# Altium PCB PCBrm.PcbDoc (part 2 of 7)
Units mm, origin at the board's own origin, x right, y up, seen from the top; angles counter-clockwise.
Board outline 220.73 x 137.67 mm, 2 copper layers (Top Layer, Bottom Layer); 138 components, 115 nets, 746 pads, 210 vias.
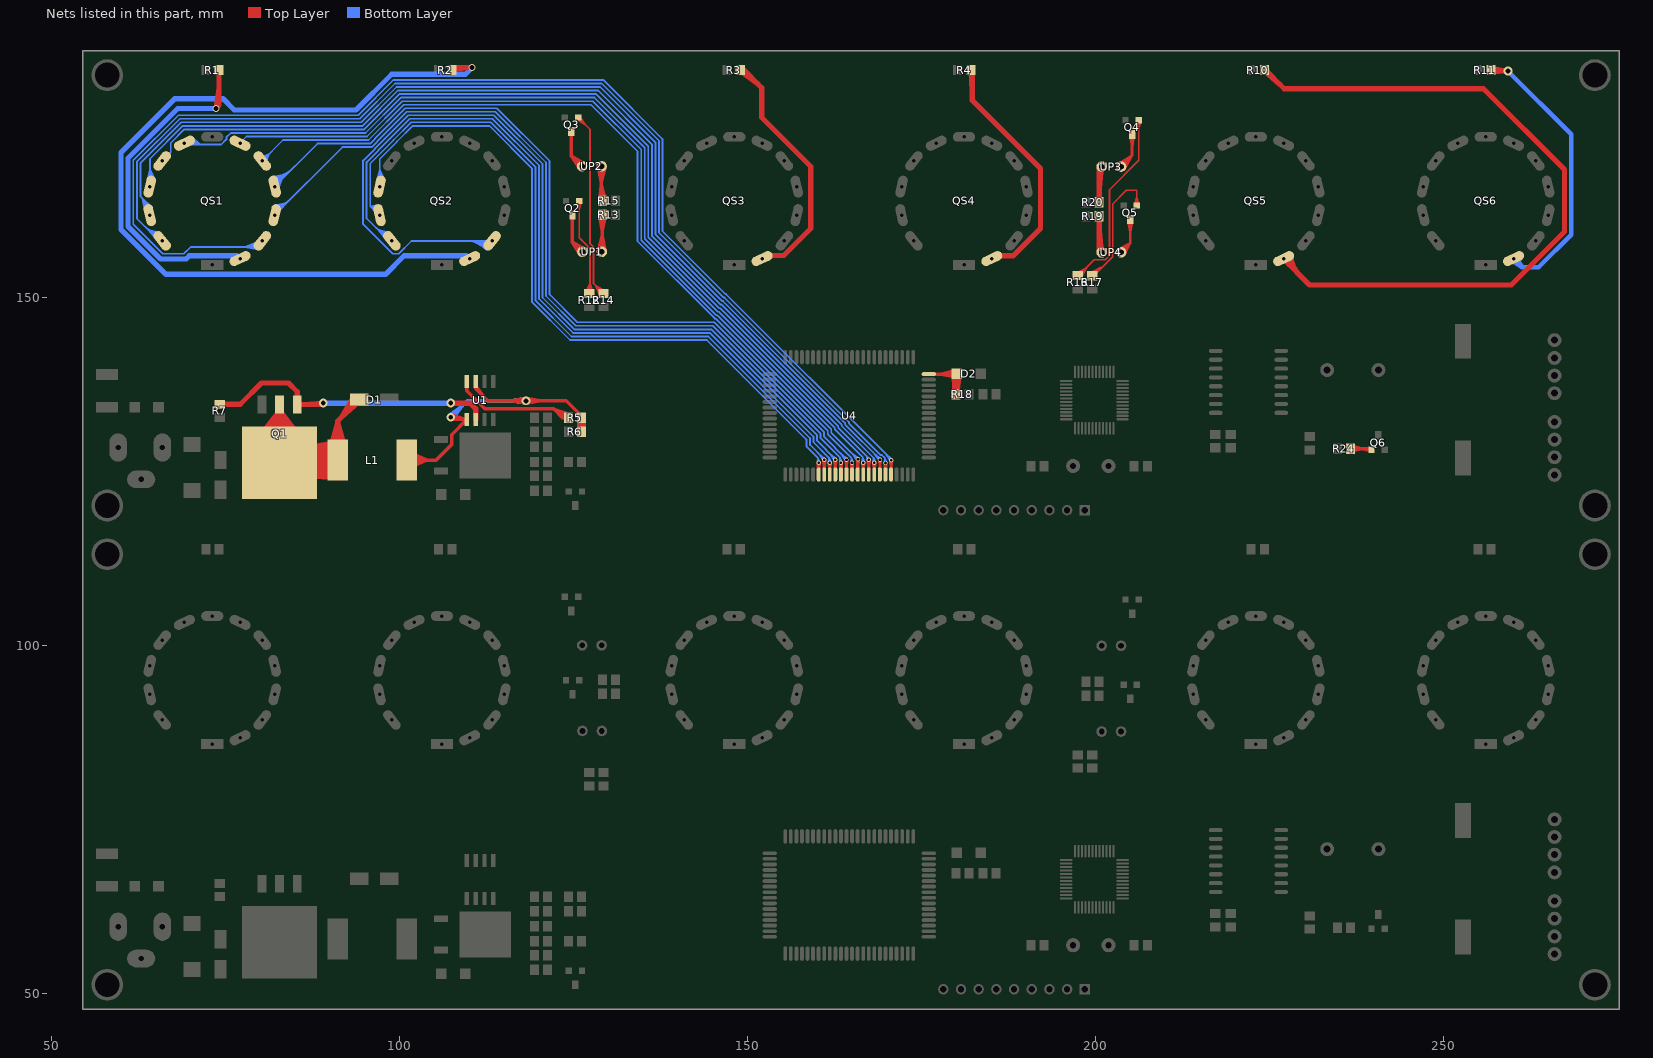
[diagram p2: the nets of this part, all layers, seen from the top]

## Via types
v1: diameter 1.27, hole 0.711, Top Layer to Bottom Layer, 118 vias
v2: diameter 1.016, hole 0.711, Top Layer to Bottom Layer, 52 vias
v3: diameter 0.61, hole 0.381, Top Layer to Bottom Layer, 40 vias

## Nets (pads, with @x,y where several pads share a name; then routed paths per layer and width w, separated by ;. In a path a pad name is that pad's centre, name@x,y a point inside that pad or via, vN(x,y) a via of type N, cw(c..) or ccw(c..) an arc to the next point about the centre after c; other vN are vias at no path point) (continued)
NetD1_3: D1.3@94.183,135.341 L1.1 Q1.2 | length 489.8
  Top Layer w0.762: Q1.2@82.753,131.074 Q1.2@82.753,133.995 ; Q1.2@82.753,134.63 Q1.2@82.753,126.248 ; Q1.2@82.944,126.248 L1.1@90.439,126.655 ; Q1.2@82.957,127.264 L1.1@90.439,126.655 ; Q1.2@83.058,128.022 L1.1@90.439,126.655 ; Q1.2@83.067,125.24 L1.1@90.439,126.655 ; Q1.2@83.237,128.771 L1.1@90.439,126.655 ; Q1.2@83.25,124.497 L1.1@90.439,126.655 ; Q1.2@83.495,129.504 L1.1@90.439,126.655 ; Q1.2@83.508,123.772 L1.1@90.439,126.655 ; Q1.2@83.83,130.214 L1.1@90.439,126.655 ; Q1.2@83.843,123.071 L1.1@90.439,126.655 ; Q1.2@84.245,130.895 L1.1@90.439,126.655 ; Q1.2@84.254,122.401 L1.1@90.439,126.655 ; Q1.2@84.74,121.769 L1.1@90.439,126.655 ; L1.1@90.052,128.308 91.11,131.891 ; L1.1@90.549,127.565 Q1.2@87.501,125.058 ; L1.1@90.552,125.743 Q1.2@87.499,128.238 ; L1.1@90.629,127.61 Q1.2@87.448,125.41 ; L1.1@90.633,125.698 Q1.2@87.446,127.883 ; L1.1@90.694,126.139 Q1.2@87.672,124.283 ; L1.1@90.712,127.647 Q1.2@87.411,125.746 ; L1.1@90.716,125.661 Q1.2@87.41,127.545 ; L1.1@90.796,127.676 Q1.2@87.389,126.069 ; L1.1@90.801,125.631 Q1.2@87.388,127.22 ; L1.1@90.812,126.181 Q1.2@87.575,124.685 ; L1.1@90.814,127.127 Q1.2@87.573,128.617 ; L1.1@90.887,125.609 Q1.2@87.376,126.904 ; L1.1@90.91,127.705 Q1.2@87.375,126.488 ; L1.1@90.957,125.597 87.374,126.655 L1.1@90.957,127.713 ; L1.1@91.004,125.591 Q1.2@87.375,126.488 ; L1.1@91.028,127.72 Q1.2@87.376,126.904 ; L1.1@91.088,129.223 Q1.2@87.573,128.617 ; L1.1@91.09,124.086 Q1.2@87.575,124.685 ; L1.1@91.119,127.724 Q1.2@87.388,127.22 ; L1.1@91.124,125.586 Q1.2@87.389,126.069 ; L1.1@91.211,127.719 Q1.2@87.41,127.545 ; L1.1@91.213,124.091 Q1.2@87.672,124.283 ; L1.1@91.217,125.591 Q1.2@87.411,125.746 ; L1.1@91.306,127.705 Q1.2@87.446,127.883 ; L1.1@91.311,125.605 Q1.2@87.448,125.41 ; L1.1@91.402,127.683 Q1.2@87.499,128.238 ; L1.1@91.406,125.627 Q1.2@87.501,125.058 ; L1.1@92.168,128.308 91.11,131.891 ; D1.3@93.328,135.624 91.692,132.85 ; D1.3@93.733,135.341 91.692,132.85 ; D1.3@94.09,135 91.692,132.85 ; D1.3@94.183,135.341 91.11,132.268 L1.1@91.11,126.655 ; Q1.2@82.753,126.248 Q1.2@82.753,133.741 ; Q1.2@82.753,126.248 83.16,126.655 L1.1@91.11,126.655 ; Q1.2@82.753,133.741 83.767,126.317 Q1.2@82.753,133.741 ; Q1.2@82.753,133.741 81.74,126.317 Q1.2@82.753,133.741 ; Q1.2@82.753,133.741 84.519,126.459 Q1.2@82.753,133.741 ; Q1.2@82.753,133.741 80.988,126.459 Q1.2@82.753,133.741 ; Q1.2@82.753,133.741 85.256,126.679 Q1.2@82.753,133.741 ; Q1.2@82.753,133.741 80.25,126.679 Q1.2@82.753,133.741 ; Q1.2@82.753,133.741 85.974,126.976 Q1.2@82.753,133.741 ; Q1.2@82.753,133.741 79.532,126.976 Q1.2@82.753,133.741 ; Q1.2@82.753,133.741 86.665,127.35 Q1.2@82.753,133.741 ; Q1.2@82.753,133.741 78.841,127.35 Q1.2@82.753,133.741 ; Q1.2@82.753,133.741 87.322,127.802 Q1.2@82.753,133.741 ; Q1.2@82.753,133.741 78.184,127.802 Q1.2@82.753,133.741 ; Q1.2@87.375,126.488 L1.1@91.11,126.655 ; Q1.2@87.376,126.904 L1.1@91.11,126.655 ; Q1.2@87.388,127.22 L1.1@91.11,126.655 ; Q1.2@87.389,126.069 L1.1@91.11,126.655 ; Q1.2@87.41,127.545 L1.1@91.11,126.655 ; Q1.2@87.411,125.746 L1.1@91.11,126.655 ; Q1.2@87.446,127.883 L1.1@91.11,126.655 ; Q1.2@87.448,125.41 L1.1@91.11,126.655 ; Q1.2@87.499,128.238 L1.1@91.11,126.655 ; Q1.2@87.501,125.058 L1.1@91.11,126.655 ; Q1.2@87.573,128.617 91.11,128.155 91.11,131.891 ; Q1.2@87.575,124.685 91.11,125.155 Q1.2@87.672,124.283
NetD2_2: D2.2 R18.1 U4.40 | length 47.7
  Top Layer w0.508: U4.40@176.017,139.005 179.965,139.005 D2.2@180.035,139.075 ; U4.40@176.767,139.005 178.566,139.005 ; R18.1@179.507,136.289 D2.2@180.035,138.411 ; D2.2@179.528,139.041 R18.1@179.933,136.786 ; D2.2@179.528,139.109 R18.1@179.625,136.763 ; D2.2@179.53,139.019 180.035,136.789 D2.2@180.54,139.019 ; D2.2@179.537,138.977 R18.1@180.23,136.779 ; R18.1@179.898,136.129 180.035,136.266 D2.2@180.035,139.075 ; R18.1@179.898,136.229 D2.2@180.035,138.411 ; D2.2@179.963,139.578 177.747,139.005 ; D2.2@179.994,138.569 177.747,139.005 ; R18.1@180.294,136.24 D2.2@180.035,138.411 ; D2.2@180.523,138.933 R18.1@179.625,136.763 ; D2.2@180.537,138.996 R18.1@179.933,136.786 ; D2.2@180.543,139.062 R18.1@180.23,136.779 ; 177.747,139.005 D2.2@180.035,139.075 ; R18.1@179.625,136.763 D2.2@180.035,139.075 ; R18.1@179.933,136.786 D2.2@180.035,139.075 ; D2.2@180.035,139.075 R18.1@180.23,136.779
NetL1_2: L1.2 R5.1 R6.1 U1.1 U1.7 | length 115.9
  Top Layer w0.508: L1.2@101.01,126.655 105.237,126.655 107.467,128.885 107.467,130.299 U1.1@109.652,132.484 ; L1.2@101.089,125.971 103.984,126.655 ; L1.2@101.089,127.338 103.984,126.655 ; L1.2@101.25,125.483 103.984,126.655 ; L1.2@101.25,127.826 103.984,126.655 ; v1@107.319,132.421 U1.1@109.585,132.484 ; v1@107.425,133.173 U1.1@109.585,132.484 ; 108.269,131.101 U1.1@109.652,132.484 ; U1.7@110.922,137.945 110.922,136.916 ; 112.065,135.773 U1.7@110.922,137.323 ; v1@118.127,134.784 116.002,135.164 v1@118.127,135.543 ; v1@118.194,134.784 120.32,135.164 v1@118.194,135.543 ; R6.1@125.743,130.751 R5.1@125.742,132.611 ; R6.1@125.742,130.833 R5.1@126.136,132.751 ; R6.1@125.743,130.835 R5.1@126.136,132.651 ; R6.1@125.761,130.918 R5.1@126.53,132.611 ; R6.1@126.512,130.918 R5.1@125.742,132.611 ; R6.1@126.53,130.751 R5.1@126.53,132.611 ; R6.1@126.53,130.833 R5.1@126.136,132.751 ; R6.1@126.53,130.835 R5.1@126.136,132.651 ; U1.1@109.585,132.484 v1(107.34,132.801) 107.391,132.801 107.709,132.484 U1.1@109.652,132.484 ; 110.922,136.916 U1.7@110.922,137.323 ; 110.922,136.916 U1.7@110.922,137.323 ; 110.922,136.916 112.674,135.164 123.942,135.164 126.136,132.969 R5.1@126.136,132.751 ; R5.1@125.742,132.611 R6.1@126.136,130.793 ; R5.1@125.742,132.611 R6.1@126.136,130.693 ; R6.1@126.136,130.693 R5.1@126.136,132.651 ; R6.1@126.136,130.693 R5.1@126.53,132.611 ; R6.1@126.136,130.693 R5.1@126.136,132.751 ; R6.1@126.136,130.793 R5.1@126.136,132.651 ; R6.1@126.136,130.793 R5.1@126.53,132.611 ; R6.1@126.136,130.793 R5.1@126.136,132.751
  Bottom Layer w0.508: v1@107.093,133.091 109.053,134.514 v1@107.63,132.554 ; v1(107.34,132.801) 109.703,135.164 v1(118.161,135.164) ; v1@118.127,134.784 116.002,135.164 v1@118.127,135.543
NetQ1_1: Q1.1 R7.2 U1.2 | length 53.2
  Top Layer w0.762: R7.2@74.143,134.666 77.099,134.666 ; R7.2@74.243,134.666 77.099,134.666 ; Q1.1@85.293,135.265 85.293,136.459 ; 86.074,134.63 v1(89.027,134.833) 88.824,134.63 Q1.1@85.293,134.63 85.293,136.459 ; v1(107.34,134.833) 110.109,134.833 110.922,134.021 ; U1.2@110.922,132.484 110.922,134.021 ; U1.2@110.922,133.106 110.922,134.021 ; 77.099,134.666 80.162,137.729 84.023,137.729 85.293,136.459
  Bottom Layer w0.762: v1(89.027,134.833) v1(107.34,134.833) 104.419,134.833
NetQ2_1: Q2.1 R12.2 | length 23.5
  Top Layer w0.254: Q2.1@125.466,163.821 125.793,162.646 Q2.1@126.121,163.821 ; Q2.1@125.793,163.866 125.793,158.586 127.356,157.024 127.356,150.693 R12.2@127.254,150.592 127.356,152.011 ; R12.2@126.748,150.724 127.356,152.011 ; R12.2@126.989,150.636 127.356,152.011 ; R12.2@127.523,150.598 127.356,152.011 ; R12.2@127.774,150.651 127.356,152.011
NetQ2_3: Q2.3 UP1.2 | length 13.8
  Top Layer w0.508: 124.828,159.675 Q2.3@124.828,161.656 ; Q2.3@124.828,161.834 124.828,157.935 ; UP1.2@125.869,156.246 124.828,157.935 ; UP1.2@126.213,156.55 124.828,157.935 ; UP1.2@126.263,156.566 124.828,157.935 ; UP1.2@126.564,156.975 124.828,157.935
NetQ3_1: Q3.1 R14.2 | length 37.7
  Top Layer w0.254: Q3.1@125.437,175.595 126.637,174.858 Q3.1@125.9,176.059 ; Q3.1@125.641,175.854 127.356,174.14 127.356,157.742 127.864,157.234 127.864,152.014 R14.2@129.286,150.592 ; R14.2@128.748,150.306 128.097,151.78 ; R14.2@128.973,150.427 128.097,151.78 ; R14.2@129.186,150.592 128.097,151.78 ; R14.2@129.369,150.789 128.097,151.78 ; R14.2@129.509,151.003 128.097,151.78
NetQ3_3: Q3.3 UP2.2 | length 14
  Top Layer w0.508: 124.676,171.663 Q3.3@124.676,173.645 ; Q3.3@124.676,173.822 124.676,170.33 ; UP2.2@125.82,168.537 124.676,170.33 ; UP2.2@126.162,168.844 124.676,170.33 ; UP2.2@126.213,168.859 124.676,170.33 ; UP2.2@126.518,169.266 124.676,170.33
NetQ4_1: Q4.1 R16.2 | length 37.4
  Top Layer w0.254: R16.2@197.206,153.573 198.674,154.295 ; R16.2@197.336,153.353 198.674,154.295 ; R16.2@197.509,153.147 198.674,154.295 ; R16.2@197.51,153.132 199.812,155.433 201.381,155.433 201.981,156.032 201.981,165.491 206.184,169.695 Q4.1@206.184,175.448 ; R16.2@197.713,152.971 198.674,154.295 ; R16.2@197.931,152.838 198.674,154.295 ; Q4.1@205.857,175.403 206.184,174.229 Q4.1@206.512,175.403
NetQ4_3: Q4.3 UP3.2 | length 16.7
  Top Layer w0.381: UP3.2@203.278,169.257 205.176,170.388 ; UP3.2@203.581,168.793 205.219,170.431 Q4.3@205.219,173.416 ; UP3.2@203.632,168.808 205.176,170.388 ; UP3.2@204.089,168.465 205.176,170.388 ; Q4.3@204.954,173.216 205.219,171.638 ; Q4.3@205.219,173.238 205.219,171.638 ; Q4.3@205.485,173.216 205.219,171.638
NetQ5_1: Q5.1 R17.2 | length 26
  Top Layer w0.254: R17.2@199.268,153.543 200.681,154.32 ; R17.2@199.409,153.329 200.681,154.32 ; R17.2@199.492,153.132 199.715,153.132 202.438,155.854 202.438,163.434 204.406,165.402 205.905,165.402 Q5.1@205.905,163.231 ; R17.2@199.592,153.132 200.681,154.32 ; R17.2@199.804,152.967 200.029,153.192 R17.2@200.029,152.846 ; Q5.1@205.578,163.275 205.905,164.45 Q5.1@206.232,163.275
NetQ5_3: Q5.3 UP4.2 | length 15.7
  Top Layer w0.381: UP4.2@203.288,156.946 204.94,157.833 ; UP4.2@203.581,156.474 204.94,157.833 ; UP4.2@203.632,156.489 204.94,157.833 ; UP4.2@204.097,156.158 204.94,157.833 ; Q5.3@204.674,160.999 204.94,159.421 ; Q5.3@204.94,161.021 204.94,159.421 ; Q5.3@204.94,161.199 204.94,157.833 ; Q5.3@205.206,160.999 204.94,159.421
NetQ6_1: Q6.1 R24.2 | length 11.5
  Top Layer w0.381: R24.2@236.611,128.306 239.458,128.306 Q6.1@239.611,128.153 237.984,128.306 ; R24.2@236.67,127.85 238.404,128.306 R24.2@236.67,128.761 ; Q6.1@239.564,127.891 237.984,128.306 ; Q6.1@239.614,128.42 237.984,128.306
NetQS1_2: QS1.2 R1.1 | length 58.3
  Top Layer w0.762: 74.051,179.651 R1.1@74.051,182.587 ; 74.051,180.109 v2(73.609,177.175) 74.051,177.617 R1.1@74.051,182.687 R1.1@74.051,182.865
  Bottom Layer w0.762: 70.815,177.15 v2(73.609,177.175) ; v2@73.609,177.15 68.119,177.15 60.983,170.014 60.983,160.214 65.667,155.53 69.323,155.53 69.794,156.001 76.593,156.001 QS1.2@77.017,155.577
NetQS2_2: QS2.2 R2.1 | length 128.7
  Top Layer w0.762: R2.1@107.503,182.787 v2(110.388,183.043) R2.1@107.503,183.043
  Bottom Layer w0.762: QS2.2@110.017,155.577 109.593,156.001 100.649,156.001 97.979,153.331 66.429,153.331 59.967,159.793 59.967,170.839 67.7,178.572 74.614,178.572 76.24,176.947 93.731,176.947 98.86,182.076 109.447,182.076 ; v2@110.211,182.839 109.447,182.076 ; v2(110.388,183.043) 109.447,182.076
NetQS3_2: QS3.2 R3.1 | length 42.1
  Top Layer w0.762: R3.1@148.93,182.587 151.44,180.701 ; R3.1@149.225,182.916 152.017,180.124 152.017,175.868 159.051,168.833 159.051,159.916 155.173,156.038 ; QS3.2@152.017,155.577 152.478,156.038 155.173,156.038 ; QS3.2@152.878,155.982 155.173,156.038 ; QS3.2@153.053,155.742 cw(c153.769,155.026) 153.769,156.038
NetQS4_2: QS4.2 R4.1 | length 41.9
  Top Layer w0.762: R4.1@182.077,182.587 182.245,179.641 ; R4.1@182.245,182.916 182.245,178.359 192.071,168.533 192.071,159.916 188.172,156.017 ; QS4.2@185.037,155.577 185.477,156.017 188.172,156.017 ; QS4.2@185.879,155.982 188.172,156.017 ; QS4.2@186.073,155.742 cw(c186.738,155.076) 186.738,156.017
NetQS5_2: QS5.2 R10.1 | length 117.4
  Top Layer w0.762: R10.1@224.155,182.916 227.082,179.989 255.719,179.989 267.335,168.372 267.335,159.444 259.692,151.801 230.723,151.801 QS5.2@226.947,155.577 ; R10.1@224.216,182.587 226.55,180.521 ; R10.1@224.536,182.916 ccw(c225.456,182.916) R10.1@224.805,182.265 ; QS5.2@227.315,155.967 ccw(c229.145,155.967) 227.851,154.673 ; 227.56,155.052 QS5.2@226.998,155.592 ; QS5.2@228.077,155.967 ccw(c231.747,155.967) 229.152,153.372 ; 228.568,154.132 QS5.2@226.998,155.592 ; 229.105,153.419 QS5.2@226.998,155.592
NetQS6_2: QS6.2 R11.1 | length 51.2
  Top Layer w0.635: R11.1@256.805,182.354 v1(259.232,182.524) ; R11.1@256.849,183.016 v1(259.232,182.524) ; v1(259.232,182.524) R11.1@256.804,182.687 256.967,182.524 v1(259.232,182.524)
  Bottom Layer w0.635: v1(259.232,182.524) 268.3,173.457 268.3,159.029 263.652,154.381 261.228,154.381 ; QS6.2@259.779,155.293 261.228,154.381 ; QS6.2@260.018,155.592 261.228,154.381 ; QS6.2@260.316,155.83 261.228,154.381
NetR5_2: R5.2 U1.8 | length 30.6
  Top Layer w0.508: U1.8@109.652,137.323 109.652,136.586 ; U1.8@109.652,137.945 109.652,136.586 ; R5.2@124.019,132.52 122.132,133.996 ; R5.2@124.236,132.851 122.132,133.996 ; R5.2@124.396,133.213 122.132,133.996 ; 109.652,136.586 112.229,134.009 122.12,134.009 123.378,132.751 ; 123.378,132.751 R5.2@124.236,132.751 ; 123.378,132.751 124.145,133.136 123.378,132.751 ; 123.378,132.751 124.145,132.365 123.378,132.751 ; 123.378,132.751 R5.2@124.236,132.751 ; 123.378,132.751 R5.2@124.236,132.751
NetR13_2: R13.2 UP1.1 | length 18.6
  Top Layer w0.5: UP1.1@128.551,156.638 129.123,158.83 ; R13.2@128.725,161.747 129.123,159.634 ; UP1.1@129.007,156.55 129.123,156.667 R13.2@129.123,161.884 ; UP1.1@129.057,156.566 129.123,158.83 ; R13.2@129.123,161.784 129.123,159.634 ; R13.2@129.522,161.747 129.123,159.634 ; UP1.1@129.568,156.609 129.123,158.83
NetR15_2: R15.2 UP2.1 | length 18.3
  Top Layer w0.5: UP2.1@128.497,168.813 128.956,166.596 ; R15.2@128.723,164.022 128.956,166.183 ; UP2.1@128.956,168.844 128.956,164.084 R15.2@129.123,163.916 ; UP2.1@129.007,168.859 128.956,166.596 ; R15.2@129.123,164.016 128.956,166.183 ; UP2.1@129.514,168.79 128.956,166.596 ; R15.2@129.518,164.084 128.956,166.183
NetR19_2: R19.2 UP4.1 | length 11.4
  Top Layer w0.762: 200.492,158.62 R19.2@200.492,161.556 ; 200.492,159.62 UP4.1@200.838,156.489 ; R19.2@200.492,161.656 200.492,156.769 UP4.1@200.787,156.474
NetR20_2: R20.2 UP3.1 | length 11.3
  Top Layer w0.762: R20.2@200.492,163.662 200.492,168.499 UP3.1@200.787,168.793 ; R20.2@200.492,163.762 200.492,166.698 ; 200.492,165.673 UP3.1@200.838,168.808
QS1-0: QS1.3 U4.20 | length 219.8
  Top Layer w0.254: v3@170.434,126.637 U4.20@170.477,125.566 ; v3@170.437,126.599 U4.20@170.71,125.548 ; v3@170.44,126.585 170.609,126.281 ; U4.20@170.444,125.34 v3@170.592,126.367 ; v3@170.486,126.503 cw(c170.23,126.248) 170.592,126.248 ; U4.20@170.487,125.434 ccw(c170.235,125.687) 170.592,125.687 ccw(c170.949,125.687) U4.20@170.697,125.434 ; U4.20@170.592,124.58 v3@170.592,126.629 ; U4.20@170.592,125.33 v3@170.592,126.367 ; 170.592,126.152 cw(c171.089,126.152) v3@170.738,126.503 ; U4.20@170.74,125.34 v3@170.592,126.367 ; v3@170.783,126.582 170.609,126.281 ; v3@170.786,126.592 U4.20@170.477,125.566 ; v3@170.79,126.631 U4.20@170.71,125.548 ; U4.20@170.477,125.566 v3(170.612,126.629) ; U4.20@170.592,125.56 v3(170.612,126.629) ; U4.20@170.592,125.56 170.434,126.618 U4.20@170.592,125.562 ; U4.20@170.592,125.56 170.789,126.611 U4.20@170.592,125.562 ; U4.20@170.592,125.562 v3(170.612,126.629) ; 170.609,126.281 v3(170.612,126.629) ; v3(170.612,126.629) U4.20@170.71,125.548
  Bottom Layer w0.254: 77.877,157.262 ccw(c77.877,159.206) QS1.3@79.252,157.831 ; 78.49,157.262 ccw(c78.49,158.592) QS1.3@79.431,157.651 ; 78.67,157.262 cw(c78.67,156.439) QS1.3@79.252,157.021 ; QS1.3@79.537,157.988 78.38,157.328 ; QS1.3@79.57,157.997 77.786,157.262 ; QS1.3@79.632,156.873 78.38,157.328 ; QS1.3@79.643,157.753 78.38,157.328 ; QS1.3@79.652,157.755 77.786,157.262 ; QS1.3@79.676,156.869 77.786,157.262 ; QS1.3@79.696,157.122 78.38,157.328 ; QS1.3@79.711,157.122 77.786,157.262 ; QS1.3@80.218,158.13 79.35,157.262 69.977,157.262 69.007,156.292 65.983,156.292 61.745,160.53 61.745,169.699 68.228,176.181 76.733,176.181 76.736,176.185 94.047,176.185 99.123,181.261 129.264,181.261 137.761,172.764 137.761,159.514 146.769,150.505 146.875,150.505 170.612,126.768 v3(170.612,126.629) ; 170.21,127.17 cw(c169.669,126.629) v3@170.434,126.629 ; v3@170.451,126.553 170.332,127.011 ; v3@170.468,126.524 169.829,127.551 ; v3@170.733,126.759 170.332,127.011 ; v3@170.738,126.754 169.829,127.551 ; 77.786,157.262 79.708,157.441 78.38,157.328 ; 169.829,127.551 v3(170.612,126.629) ; 170.332,127.011 v3(170.612,126.629)
QS1-1: QS1.13 U4.19 | length 204.6
  Top Layer w0.254: v3@169.609,126.244 U4.19@169.644,125.341 ; v3@169.609,126.215 U4.19@169.792,125.33 ; v3@169.609,126.218 U4.19@169.792,125.167 ; v3@169.614,126.19 169.777,125.907 ; v3@169.615,126.186 U4.19@169.94,125.341 ; v3@169.62,126.172 169.806,125.924 ; v3@169.661,126.108 cw(c169.343,125.79) 169.792,125.79 ; U4.19@169.687,125.434 ccw(c169.435,125.687) 169.792,125.687 ccw(c170.149,125.687) U4.19@169.897,125.434 ; U4.19@169.792,124.58 v3@169.792,126.274 ; 169.792,125.818 cw(c170.202,125.818) v3@169.912,126.108 ; v3@169.956,126.18 169.777,125.907 ; v3@169.958,126.188 U4.19@169.644,125.341 ; v3@169.96,126.193 169.806,125.924 ; v3@169.963,126.217 U4.19@169.792,125.33 ; v3@169.964,126.219 U4.19@169.792,125.167 ; v3@169.964,126.246 U4.19@169.94,125.341 ; U4.19@169.644,125.341 v3(169.786,126.233) ; U4.19@169.644,125.341 v3@169.792,126.274 ; 169.777,125.907 v3(169.786,126.233) ; v3(169.786,126.233) U4.19@169.792,125.167 ; v3(169.786,126.233) U4.19@169.792,125.33 ; v3(169.786,126.233) U4.19@169.94,125.341 ; v3(169.786,126.233) 169.806,125.924 ; v3(169.786,126.233) 169.786,126.268 v3@169.792,126.274 ; U4.19@169.792,125.33 v3@169.792,126.274 ; v3@169.792,126.274 U4.19@169.94,125.341
  Bottom Layer w0.254: 63.455,160.158 ccw(c65.271,161.974) QS1.13@65.271,159.406 ; 63.889,159.725 ccw(c65.271,161.107) QS1.13@65.271,159.152 ; 64.322,159.291 ccw(c65.271,160.24) QS1.13@65.271,158.898 ; QS1.13@64.902,158.458 64.191,159.644 ; QS1.13@64.931,158.429 64.294,159.414 ; QS1.13@64.946,158.416 63.981,159.633 ; QS1.13@65.109,158.61 64.191,159.644 ; QS1.13@65.131,158.592 64.294,159.414 ; QS1.13@65.133,158.591 63.981,159.633 ; QS1.13@65.436,159.146 64.294,159.414 ; QS1.13@65.454,159.139 63.981,159.633 ; QS1.13@65.467,159.403 64.294,159.414 ; QS1.13@65.474,159.129 64.191,159.644 ; QS1.13@65.515,159.388 63.981,159.633 ; QS1.13@65.547,159.375 64.191,159.644 ; QS1.13@65.832,158.13 65.484,158.13 62.253,161.36 62.253,169.488 68.438,175.673 76.943,175.673 76.947,175.677 94.257,175.677 99.334,180.753 129.035,180.753 137.253,172.536 137.253,159.303 146.56,149.997 146.665,149.997 164.536,132.125 164.536,131.962 169.132,127.366 169.296,127.366 169.697,126.964 ; v3@169.608,126.233 169.697,126.964 ; v3@169.609,126.243 169.722,126.688 ; 169.697,126.877 ccw(c170.43,126.877) v3@169.912,126.359 ; v3@169.792,126.447 169.792,126.274 169.684,126.382 169.697,126.396 169.697,126.964 ; v3@169.954,126.292 169.722,126.688 ; v3@169.959,126.276 169.697,126.964 ; 63.981,159.633 QS1.13@65.322,158.848 ; 64.191,159.644 QS1.13@65.322,158.848 ; 64.294,159.414 QS1.13@65.322,158.848 ; 169.697,126.964 v3(169.786,126.233) 169.722,126.688
QS1-2: QS1.12 U4.18 | length 203.4
  Top Layer w0.254: v3@168.834,126.686 168.884,125.617 ; v3@168.836,126.651 169.102,125.601 ; v3@168.839,126.636 169.009,126.332 ; U4.18@168.844,125.34 168.992,126.367 ; v3@168.886,126.554 cw(c168.63,126.298) 168.992,126.298 ; U4.18@168.887,125.434 ccw(c168.635,125.687) 168.992,125.687 ccw(c169.349,125.687) U4.18@169.097,125.434 ; U4.18@168.992,124.58 v3@168.992,126.68 ; U4.18@168.992,125.33 168.992,126.367 ; 168.992,126.203 cw(c169.488,126.203) v3@169.137,126.554 ; U4.18@169.14,125.34 168.992,126.367 ; v3@169.183,126.633 169.009,126.332 ; v3@169.186,126.644 168.884,125.617 ; v3@169.189,126.68 169.102,125.601 ; v3@168.838,126.64 168.992,126.367 ; v3@168.838,126.64 168.992,126.367 ; v3@168.838,126.64 168.992,126.367 ; 168.884,125.617 v3(169.012,126.68) ; 168.992,125.613 v3(169.012,126.68) ; 168.992,125.613 168.834,126.668 168.992,125.613 ; 168.992,125.613 169.188,126.662 168.992,125.613 ; 168.992,125.613 v3(169.012,126.68) ; 168.992,126.367 v3(169.012,126.68) ; 168.992,126.367 v3@169.179,126.619 ; 168.992,126.367 v3(169.012,126.68) ; 168.992,126.367 v3@169.179,126.619 ; 168.992,126.367 v3(169.012,126.68) ; 168.992,126.367 v3@169.179,126.619 ; 169.009,126.332 v3(169.012,126.68) ; v3(169.012,126.68) 169.102,125.601
  Bottom Layer w0.254: 63.099,164.209 cw(c61.956,163.066) QS1.12@63.542,162.757 ; QS1.12@63.293,162.805 ccw(c61.391,163.176) 62.761,164.546 ; QS1.12@63.34,162.626 63.484,163.591 ; QS1.12@63.365,162.523 63.223,163.806 ; QS1.12@63.368,162.515 63.034,164.273 ; 63.436,163.871 cw(c62.521,162.956) QS1.12@63.792,162.708 ; QS1.12@63.6,162.622 63.484,163.591 ; QS1.12@63.615,162.581 63.034,164.273 ; QS1.12@63.617,162.577 63.223,163.806 ; 63.774,163.533 cw(c63.086,162.846) QS1.12@64.041,162.66 ; QS1.12@64.056,161.818 64.056,163.252 62.761,164.546 ; QS1.12@64.154,162.912 63.223,163.806 ; QS1.12@64.167,162.894 63.484,163.591 ; QS1.12@64.17,162.891 63.034,164.273 ; QS1.12@64.313,163.115 63.223,163.806 ; QS1.12@64.327,163.099 63.484,163.591 ; QS1.12@64.355,163.067 63.034,164.273 ; 168.646,127.134 cw(c168.192,126.68) v3@168.834,126.68 ; v3@168.853,126.599 168.748,127.001 ; v3@168.871,126.571 168.211,127.568 ; v3@169.122,126.82 168.748,127.001 ; v3@169.134,126.808 168.211,127.568 ; 62.761,164.546 62.761,169.278 68.648,175.165 77.154,175.165 77.157,175.169 94.468,175.169 99.544,180.245 128.807,180.245 136.745,172.307 136.745,159.093 146.349,149.489 146.454,149.489 164.028,131.915 164.028,131.752 169.012,126.768 v3(169.012,126.68) ; 63.034,164.273 QS1.12@63.906,162.711 ; 63.223,163.806 QS1.12@63.906,162.711 ; 63.484,163.591 QS1.12@63.906,162.711 ; 168.211,127.568 v3(169.012,126.68) ; 168.748,127.001 v3(169.012,126.68)
QS1-3: QS1.11 U4.17 | length 180
  Top Layer w0.254: v3@168.015,126.257 U4.17@168.192,125.33 ; v3@168.015,126.259 168.192,125.207 v3@168.369,126.259 ; v3@168.015,126.285 U4.17@168.044,125.341 ; v3@168.02,126.229 U4.17@168.34,125.341 ; v3@168.019,126.232 168.177,125.955 ; v3@168.024,126.216 168.207,125.955 ; v3@168.066,126.148 cw(c167.763,125.844) 168.192,125.844 cw(c168.621,125.844) v3@168.318,126.148 ; U4.17@168.087,125.434 ccw(c167.835,125.687) 168.192,125.687 ccw(c168.549,125.687) U4.17@168.297,125.434 ; U4.17@168.192,124.58 v3(168.192,126.274) ; v3@168.36,126.216 168.177,125.955 ; v3@168.364,126.229 U4.17@168.044,125.341 ; v3@168.365,126.232 168.207,125.955 ; v3@168.369,126.257 U4.17@168.192,125.33 ; v3@168.369,126.285 U4.17@168.34,125.341 ; U4.17@168.044,125.341 v3(168.192,126.274) ; U4.17@168.044,125.341 v3(168.192,126.274) ; 168.177,125.955 v3(168.192,126.274) ; U4.17@168.192,125.33 v3(168.192,126.274) ; v3(168.192,126.274) 168.207,125.955 ; v3(168.192,126.274) U4.17@168.34,125.341
  Bottom Layer w0.254: QS1.11@63.735,166.85 64.137,168.328 ; QS1.11@63.74,166.892 64.198,167.997 ; QS1.11@63.851,167.195 ccw(c63.159,167.887) 64.137,167.887 ; QS1.11@63.988,166.803 64.137,168.328 ; QS1.11@63.988,166.819 64.198,167.997 ; QS1.11@64.056,165.913 64.137,165.994 64.137,169.935 68.859,174.657 77.364,174.657 77.368,174.661 94.678,174.661 99.755,179.737 128.502,179.737 136.237,172.002 136.237,158.882 146.139,148.981 146.244,148.981 163.52,131.705 163.52,131.541 168.072,126.989 ; 64.137,167.847 ccw(c65.313,167.847) QS1.11@64.481,167.016 ; 64.137,168.46 ccw(c65.926,168.46) QS1.11@64.661,167.195 ; QS1.11@64.618,166.876 64.198,167.997 ; QS1.11@64.618,166.874 64.137,168.328 ; QS1.11@64.848,166.993 64.198,167.997 ; QS1.11@64.854,166.974 64.137,168.328 ; v3@168.014,126.266 168.072,126.989 ; v3@168.014,126.273 168.101,126.772 ; v3@168.317,126.4 cw(c168.903,126.989) 168.072,126.989 ; v3@168.359,126.336 168.101,126.772 ; v3@168.362,126.324 168.072,126.989 ; 64.137,168.328 64.307,166.805 64.198,167.997 ; 168.072,126.989 v3(168.192,126.274) ; 168.072,126.989 168.072,126.394 v3(168.192,126.274) ; 168.101,126.772 v3(168.192,126.274)
QS1-4: QS1.10 U4.16 | length 162.6
  Top Layer w0.254: v3@167.208,126.707 167.287,125.633 ; v3@167.211,126.672 167.497,125.638 ; v3@167.214,126.662 167.377,126.378 ; v3@167.219,126.643 167.406,126.396 ; U4.16@167.244,125.34 167.392,126.367 ; v3@167.26,126.58 cw(c166.942,126.262) 167.392,126.262 ; U4.16@167.287,125.434 ccw(c167.035,125.687) 167.392,125.687 ccw(c167.749,125.687) U4.16@167.497,125.434 ; U4.16@167.392,124.58 167.392,126.699 v3(167.386,126.705) ; U4.16@167.392,125.33 167.392,126.367 ; 167.392,126.291 cw(c167.801,126.291) v3@167.512,126.58 ; U4.16@167.54,125.34 167.392,126.367 ; v3@167.556,126.652 167.377,126.378 ; v3@167.559,126.665 167.406,126.396 ; v3@167.561,126.674 167.287,125.633 ; v3@167.564,126.709 167.497,125.638 ; v3@167.215,126.656 167.392,126.367 ; v3@167.215,126.656 167.392,126.367 ; v3@167.215,126.656 167.392,126.367 ; 167.287,125.633 v3(167.386,126.705) ; 167.377,126.378 v3(167.386,126.705) ; v3(167.386,126.705) 167.392,125.639 ; v3(167.386,126.705) 167.392,125.639 ; v3(167.386,126.705) 167.392,126.367 ; v3(167.386,126.705) 167.392,126.367 ; v3(167.386,126.705) 167.497,125.638 ; v3(167.386,126.705) 167.392,126.367 ; v3(167.386,126.705) 167.406,126.396 ; 167.392,125.639 167.209,126.69 167.392,125.639 ; 167.392,125.639 167.563,126.692 167.392,125.639 ; 167.392,126.367 v3@167.558,126.662 ; 167.392,126.367 v3@167.558,126.662 ; 167.392,126.367 v3@167.558,126.662
  Bottom Layer w0.254: QS1.10@65.832,169.602 67.126,170.896 67.126,172.206 69.069,174.149 77.575,174.149 77.578,174.153 94.889,174.153 99.965,179.229 128.248,179.229 135.729,171.748 135.729,158.672 145.928,148.473 146.034,148.473 163.012,131.494 163.012,131.269 167.386,126.895 v3(167.386,126.705) 167.089,127.149 ; 166.948,127.333 cw(c166.321,126.705) v3@167.208,126.705 ; v3@167.224,126.633 167.089,127.149 ; v3@167.515,126.827 167.089,127.149
QS1-5: QS1.9 U4.15 | length 159
  Top Layer w0.254: v3@166.415,126.257 U4.15@166.592,125.33 ; v3@166.415,126.259 166.592,125.207 v3@166.769,126.259 ; v3@166.415,126.285 U4.15@166.444,125.341 ; v3@166.42,126.229 U4.15@166.74,125.341 ; v3@166.419,126.232 166.577,125.955 ; v3@166.424,126.216 166.607,125.955 ; v3@166.466,126.148 cw(c166.163,125.844) 166.592,125.844 cw(c167.021,125.844) v3@166.718,126.148 ; U4.15@166.487,125.434 ccw(c166.235,125.687) 166.592,125.687 ccw(c166.949,125.687) U4.15@166.697,125.434 ; U4.15@166.592,124.58 v3(166.592,126.274) ; v3@166.76,126.216 166.577,125.955 ; v3@166.764,126.229 U4.15@166.444,125.341 ; v3@166.765,126.232 166.607,125.955 ; v3@166.769,126.257 U4.15@166.592,125.33 ; v3@166.769,126.285 U4.15@166.74,125.341 ; U4.15@166.444,125.341 v3(166.592,126.274) ; U4.15@166.444,125.341 v3(166.592,126.274) ; 166.577,125.955 v3(166.592,126.274) ; U4.15@166.592,125.33 v3(166.592,126.274) ; v3(166.592,126.274) 166.607,125.955 ; v3(166.592,126.274) U4.15@166.74,125.341
  Bottom Layer w0.254: QS1.9@69.033,172.155 69.203,171.985 74.373,171.985 75.11,172.722 75.11,172.999 75.752,173.641 77.785,173.641 77.788,173.645 95.099,173.645 100.176,178.721 127.994,178.721 135.221,171.494 135.221,158.461 145.718,147.965 145.823,147.965 162.504,131.284 162.504,131.059 166.522,127.04 ; QS1.9@69.786,171.998 71.356,171.985 ; QS1.9@69.809,172.253 71.356,171.985 ; QS1.9@69.895,172.56 71.356,171.985 ; QS1.9@70.041,172.844 71.356,171.985 ; QS1.9@70.199,173.046 71.356,171.985 ; v3@166.414,126.278 166.522,127.04 ; v3@166.415,126.291 166.545,126.698 ; 166.522,126.871 ccw(c167.189,126.871) v3@166.718,126.399 ; v3@166.592,126.372 v3(166.592,126.274) ; v3@166.761,126.329 166.545,126.698 ; v3@166.766,126.31 166.522,127.04 ; 166.522,127.04 v3(166.592,126.274) ; 166.522,127.04 166.522,126.343 v3(166.592,126.274) ; 166.545,126.698 v3(166.592,126.274)
QS1-6: QS1.7 U4.14 | length 149.4
  Top Layer w0.254: U4.14@165.644,125.34 165.792,126.367 ; v3@165.659,126.765 165.696,125.696 ; v3@165.66,126.732 U4.14@165.907,125.568 ; v3@165.661,126.727 165.812,126.37 ; U4.14@165.687,125.434 ccw(c165.435,125.687) 165.792,125.687 ; v3@165.711,126.63 cw(c165.515,126.435) 165.792,126.435 ; U4.14@165.792,124.58 165.792,126.712 v3(165.837,126.756) ; U4.14@165.792,125.33 165.792,126.367 ; 165.792,126.219 cw(c166.374,126.219) v3@165.962,126.63 ; U4.14@165.897,125.434 cw(c166.149,125.687) 165.792,125.687 ; U4.14@165.94,125.34 165.792,126.367 ; v3@166.007,126.704 165.812,126.37 ; v3@166.01,126.718 165.696,125.696 ; v3@166.014,126.753 U4.14@165.907,125.568 ; v3@165.66,126.736 165.792,126.367 ; v3@165.66,126.736 165.792,126.367 ; v3@165.66,126.736 165.792,126.367 ; 165.696,125.696 v3(165.837,126.756) ; 165.792,125.687 v3(165.837,126.756) ; 165.792,125.687 165.659,126.749 165.792,125.687 ; 165.792,125.687 166.013,126.734 165.792,125.687 ; 165.792,125.687 v3(165.837,126.756) ; 165.792,126.367 v3(165.837,126.756) ; 165.792,126.367 v3@166.004,126.696 ; 165.792,126.367 v3(165.837,126.756) ; 165.792,126.367 v3@166.004,126.696 ; 165.792,126.367 v3(165.837,126.756) ; 165.792,126.367 v3@166.004,126.696 ; 165.812,126.37 v3(165.837,126.756) ; v3(165.837,126.756) U4.14@165.907,125.568
  Bottom Layer w0.254: QS1.7@77.017,172.155 77.999,173.137 95.309,173.137 100.386,178.213 127.765,178.213 134.713,171.266 134.713,158.251 145.507,147.457 145.613,147.457 161.996,131.073 161.996,130.597 v3(165.837,126.756) ; v3@165.659,126.756 ccw(c165.23,126.756) 165.533,127.06 ccw(c165.837,127.363) v3@165.837,126.934 ; v3@165.702,126.64 164.993,127.6 ; v3@165.953,126.891 164.993,127.6 ; v3@165.964,126.629 v3(165.837,126.756) ; 164.993,127.6 v3(165.837,126.756)
QS1-7: QS1.6 U4.13 | length 145.8
  Top Layer w0.254: v3@164.815,126.259 164.992,125.207 v3@165.169,126.259 ; v3@164.815,126.285 U4.13@164.844,125.341 ; v3@164.815,126.257 U4.13@164.992,125.33 ; v3@164.82,126.229 U4.13@165.14,125.341 ; v3@164.819,126.232 164.977,125.955 ; v3@164.824,126.216 165.007,125.955 ; v3@164.866,126.148 cw(c164.563,125.844) 164.992,125.844 cw(c165.421,125.844) v3@165.118,126.148 ; U4.13@164.887,125.434 ccw(c164.635,125.687) 164.992,125.687 ccw(c165.349,125.687) U4.13@165.097,125.434 ; U4.13@164.992,124.58 v3(164.992,126.274) ; v3@165.16,126.216 164.977,125.955 ; v3@165.164,126.229 U4.13@164.844,125.341 ; v3@165.165,126.232 165.007,125.955 ; v3@165.169,126.257 U4.13@164.992,125.33 ; v3@165.169,126.285 U4.13@165.14,125.341 ; U4.13@164.844,125.341 v3(164.992,126.274) ; U4.13@164.844,125.341 v3(164.992,126.274) ; 164.977,125.955 v3(164.992,126.274) ; U4.13@164.992,125.33 v3(164.992,126.274) ; v3(164.992,126.274) 165.007,125.955 ; v3(164.992,126.274) U4.13@165.14,125.341
  Bottom Layer w0.254: QS1.6@79.942,170.088 81.288,170.672 ; QS1.6@80.065,169.862 81.288,170.672 ; QS1.6@80.218,169.602 83.245,172.629 95.52,172.629 100.596,177.705 127.486,177.705 134.163,171.028 134.163,158.082 145.244,147.001 ; QS1.6@80.269,169.617 81.288,170.672 ; QS1.6@80.521,169.422 81.288,170.672 ; QS1.6@80.75,169.307 81.288,170.672 ; 145.297,146.949 145.402,146.949 161.488,130.863 161.488,130.373 164.871,126.989 ; v3@164.814,126.266 164.871,126.989 ; v3@164.814,126.273 164.901,126.771 ; v3@164.992,126.372 v3(164.992,126.274) ; v3@165.117,126.4 cw(c165.701,126.989) 164.871,126.989 ; v3@165.159,126.336 164.901,126.771 ; v3@165.162,126.324 164.871,126.989 ; 164.871,126.989 v3(164.992,126.274) ; 164.871,126.989 164.871,126.394 v3(164.992,126.274) ; 164.901,126.771 v3(164.992,126.274)
QS1-8: QS1.5 U4.12 | length 191
  Top Layer w0.254: v3@164.008,126.707 164.087,125.633 ; v3@164.011,126.672 164.297,125.639 ; v3@164.013,126.662 164.177,126.377 ; v3@164.019,126.643 164.206,126.397 ; U4.12@164.044,125.34 164.192,126.367 ; v3@164.06,126.58 cw(c163.741,126.261) 164.192,126.261 ; U4.12@164.087,125.434 ccw(c163.835,125.687) 164.192,125.687 ccw(c164.549,125.687) U4.12@164.297,125.434 ; U4.12@164.192,124.58 164.192,126.699 v3(164.186,126.705) ; U4.12@164.192,125.33 164.192,126.367 ; 164.192,126.292 cw(c164.599,126.292) v3@164.311,126.58 ; U4.12@164.34,125.34 164.192,126.367 ; v3@164.355,126.653 164.177,126.377 ; v3@164.359,126.666 164.206,126.397 ; v3@164.361,126.674 164.087,125.633 ; v3@164.363,126.709 164.297,125.639 ; v3@164.015,126.656 164.192,126.367 ; v3@164.015,126.656 164.192,126.367 ; v3@164.015,126.656 164.192,126.367 ; 164.087,125.633 v3(164.186,126.705) ; 164.177,126.377 v3(164.186,126.705) ; v3(164.186,126.705) 164.192,125.639 ; v3(164.186,126.705) 164.192,125.639 ; v3(164.186,126.705) 164.192,126.367 ; v3(164.186,126.705) 164.192,126.367 ; v3(164.186,126.705) 164.297,125.639 ; v3(164.186,126.705) 164.192,126.367 ; v3(164.186,126.705) 164.206,126.397 ; 164.192,125.639 164.009,126.69 164.192,125.639 ; 164.192,125.639 164.363,126.692 164.192,125.639 ; 164.192,126.367 v3@164.358,126.662 ; 164.192,126.367 v3@164.358,126.662 ; 164.192,126.367 v3@164.358,126.662
  Bottom Layer w0.254: QS1.5@81.644,167.342 83.167,167.607 ; QS1.5@81.708,167.094 83.167,167.607 ; QS1.5@81.712,166.394 83.152,167.07 ; QS1.5@81.714,167.363 83.209,167.421 ; QS1.5@81.746,167.109 83.209,167.421 ; QS1.5@81.784,167.119 83.173,167.225 ; QS1.5@81.788,167.376 83.173,167.225 ; QS1.5@81.794,165.839 ccw(c81.794,166.145) QS1.5@82.01,165.929 ; QS1.5@81.794,166.093 ccw(c81.794,167.012) QS1.5@82.444,166.362 ; QS1.5@81.794,166.347 ccw(c81.794,167.88) 82.878,166.796 ; QS1.5@81.794,166.601 ccw(c81.794,168.747) 83.311,167.23 ; QS1.5@81.794,166.855 ccw(c81.794,169.614) 83.745,167.663 ; QS1.5@81.794,167.109 ccw(c81.794,170.481) 84.178,168.097 ; QS1.5@81.794,167.363 ccw(c81.794,171.348) 84.612,168.53 ; QS1.5@81.839,166.172 83.152,167.07 ; QS1.5@81.975,166.514 83.173,167.225 ; QS1.5@81.994,165.913 88.202,172.121 95.758,172.121 97.078,173.441 97.078,173.469 100.807,177.197 113.955,177.197 121.539,169.613 121.539,150.432 125.531,146.441 145.192,146.441 160.98,130.653 160.98,129.995 164.186,126.79 v3(164.186,126.705) ; QS1.5@82.006,166.53 83.209,167.421 ; QS1.5@82.038,166.551 83.167,167.607 ; QS1.5@82.045,165.928 83.152,167.07 ; QS1.5@82.126,166.306 83.173,167.225 ; QS1.5@82.176,166.338 83.209,167.421 ; QS1.5@82.228,166.379 83.167,167.607 ; QS1.5@82.295,165.73 83.152,167.07 ; QS1.5@82.522,165.61 83.152,167.07 ; 163.823,127.153 cw(c163.375,126.705) v3@164.008,126.705 ; v3@164.027,126.624 163.923,127.022 ; v3@164.045,126.596 163.385,127.59 ; v3@164.295,126.846 163.923,127.022 ; v3@164.308,126.834 163.385,127.59 ; QS1.5@81.845,166.805 83.209,167.421 ; QS1.5@81.845,166.805 83.167,167.607 ; QS1.5@81.845,166.805 83.173,167.225 ; 163.385,127.59 v3(164.186,126.705) ; 163.923,127.022 v3(164.186,126.705)
QS1-9: QS1.4 U4.11 | length 173.2
  Top Layer w0.254: v3@163.215,126.285 U4.11@163.244,125.341 ; v3@163.215,126.257 U4.11@163.392,125.33 ; v3@163.215,126.259 163.392,125.207 v3@163.569,126.259 ; v3@163.219,126.232 163.377,125.955 ; v3@163.22,126.229 U4.11@163.54,125.341 ; v3@163.224,126.216 163.407,125.955 ; v3@163.266,126.148 cw(c162.963,125.844) 163.392,125.844 cw(c163.821,125.844) v3@163.518,126.148 ; U4.11@163.287,125.434 ccw(c163.035,125.687) 163.392,125.687 ccw(c163.749,125.687) U4.11@163.497,125.434 ; U4.11@163.392,124.58 v3(163.392,126.274) ; v3@163.56,126.216 163.377,125.955 ; v3@163.564,126.229 U4.11@163.244,125.341 ; v3@163.565,126.232 163.407,125.955 ; v3@163.569,126.257 U4.11@163.392,125.33 ; v3@163.569,126.285 U4.11@163.54,125.341 ; U4.11@163.244,125.341 v3(163.392,126.274) ; U4.11@163.244,125.341 v3(163.392,126.274) ; 163.377,125.955 v3(163.392,126.274) ; U4.11@163.392,125.33 v3(163.392,126.274) ; v3(163.392,126.274) 163.407,125.955 ; v3(163.392,126.274) U4.11@163.54,125.341
  Bottom Layer w0.254: QS1.4@81.994,161.818 91.789,171.613 95.968,171.613 97.586,173.23 97.586,173.258 101.017,176.689 113.744,176.689 121.031,169.403 121.031,150.222 125.32,145.933 144.982,145.933 160.472,130.442 160.472,129.785 163.278,126.979 ; QS1.4@82.018,163.237 83.468,163.55 ; QS1.4@82.088,163.262 83.397,163.337 ; QS1.4@82.094,162.992 83.468,163.55 ; QS1.4@82.105,163.267 83.499,163.323 ; QS1.4@82.128,163.008 83.397,163.337 ; QS1.4@82.139,163.012 83.499,163.323 ; QS1.4@82.195,162.507 ccw(c82.195,163.685) 83.028,162.852 ; QS1.4@82.195,162.761 ccw(c82.195,164.553) 83.462,163.286 ; QS1.4@82.195,163.015 ccw(c82.195,165.42) 83.895,163.719 ; QS1.4@82.195,163.269 ccw(c82.195,166.287) 84.329,164.153 ; QS1.4@82.197,163.026 83.09,163.001 ; QS1.4@82.243,163.284 83.09,163.001 ; QS1.4@82.401,162.433 83.09,163.001 ; QS1.4@82.417,162.442 83.499,163.323 ; QS1.4@82.431,162.451 83.397,163.337 ; QS1.4@82.453,162.469 83.468,163.55 ; QS1.4@82.595,162.257 83.09,163.001 ; QS1.4@82.597,162.259 83.499,163.323 ; QS1.4@82.622,162.28 83.397,163.337 ; QS1.4@82.655,162.31 83.468,163.55 ; v3@163.214,126.267 163.278,126.979 ; v3@163.214,126.275 163.306,126.767 ; v3@163.392,126.372 v3(163.392,126.274) ; v3@163.518,126.399 cw(c164.097,126.979) 163.278,126.979 ; v3@163.559,126.335 163.306,126.767 ; v3@163.563,126.324 163.278,126.979 ; QS1.4@82.245,162.711 83.499,163.323 ; QS1.4@82.245,162.711 83.468,163.55 ; QS1.4@82.245,162.711 83.09,163.001 ; QS1.4@82.245,162.711 83.397,163.337 ; 163.278,126.979 v3(163.392,126.274) ; 163.278,126.979 163.278,126.388 v3(163.392,126.274) ; 163.306,126.767 v3(163.392,126.274)
QS2-0: QS2.3 U4.10 | length 199.9
  Top Layer w0.254: v3@162.414,126.698 162.486,125.626 ; v3@162.417,126.663 162.698,125.626 ; v3@162.419,126.653 162.577,126.377 ; v3@162.424,126.638 162.607,126.377 ; U4.10@162.444,125.34 162.592,126.367 ; v3@162.466,126.569 cw(c162.163,126.266) 162.592,126.266 cw(c163.021,126.266) v3@162.718,126.569 ; U4.10@162.487,125.434 ccw(c162.235,125.687) 162.592,125.687 ccw(c162.949,125.687) U4.10@162.697,125.434 ; U4.10@162.592,124.58 v3(162.592,126.695) ; U4.10@162.592,125.33 162.592,126.367 ; U4.10@162.74,125.34 162.592,126.367 ; v3@162.76,126.638 162.577,126.377 ; v3@162.765,126.653 162.607,126.377 ; v3@162.767,126.663 162.486,125.626 ; v3@162.77,126.698 162.698,125.626 ; v3@162.421,126.647 162.592,126.367 ; v3@162.421,126.647 162.592,126.367 ; v3@162.421,126.647 162.592,126.367 ; 162.486,125.626 v3(162.592,126.695) ; 162.577,126.377 v3(162.592,126.695) ; 162.592,125.628 162.415,126.68 162.592,125.628 ; 162.592,125.628 162.769,126.68 162.592,125.628 ; 162.592,126.367 v3(162.592,126.695) ; 162.592,126.367 v3@162.763,126.647 ; 162.592,126.367 v3@162.763,126.647 ; 162.592,126.367 v3(162.592,126.695) ; 162.592,126.367 v3@162.763,126.647 ; v3(162.592,126.695) 162.698,125.626 ; v3(162.592,126.695) 162.607,126.377
  Bottom Layer w0.254: 109.575,158.129 cw(c109.575,154.344) QS2.3@112.252,157.021 ; 110.188,158.129 cw(c110.188,154.957) QS2.3@112.431,157.2 ; 110.801,158.129 cw(c110.801,155.57) QS2.3@112.611,157.38 ; 111.414,158.129 cw(c111.414,156.183) QS2.3@112.79,157.559 ; 112.027,158.129 cw(c112.027,156.797) QS2.3@112.97,157.739 ; QS2.3@112.303,157.035 111.61,158.13 ; QS2.3@112.357,156.988 111.463,158.042 ; QS2.3@112.422,156.944 111.251,157.946 ; QS2.3@112.485,156.913 111.125,157.797 ; QS2.3@112.506,157.194 111.61,158.13 ; QS2.3@112.536,157.172 111.463,158.042 ; QS2.3@112.572,157.152 111.251,157.946 ; QS2.3@112.607,157.138 111.125,157.797 ; QS2.3@112.641,158.129 cw(c112.641,157.41) QS2.3@113.15,157.919 ; QS2.3@112.733,158.014 111.125,157.797 ; QS2.3@112.747,157.758 111.125,157.797 ; QS2.3@112.78,157.752 111.251,157.946 ; QS2.3@112.791,158.008 111.251,157.946 ; QS2.3@112.812,157.742 111.463,158.042 ; QS2.3@112.843,157.73 111.61,158.13 ; QS2.3@112.844,157.997 111.463,158.042 ; QS2.3@112.897,157.982 111.61,158.13 ; QS2.3@113.218,158.13 101.701,158.13 99.863,156.292 98.983,156.292 94.745,160.53 94.745,169.671 98.094,173.02 98.094,173.048 101.228,176.181 113.534,176.181 120.523,169.192 120.523,150.011 125.11,145.425 144.771,145.425 159.964,130.232 159.964,129.415 162.592,126.787 v3(162.592,126.695) ; QS2.3@113.254,158.129 cw(c113.254,158.023) QS2.3@113.329,158.098 ; 162.223,127.155 cw(c161.763,126.695) v3@162.414,126.695 ; v3@162.433,126.614 162.327,127.021 ; v3@162.451,126.586 161.796,127.583 ; v3@162.703,126.834 162.327,127.021 ; v3@162.715,126.823 161.796,127.583 ; 111.125,157.797 QS2.3@112.708,157.441 ; 111.251,157.946 QS2.3@112.708,157.441 ; 111.463,158.042 QS2.3@112.708,157.441 ; 111.61,158.13 QS2.3@112.708,157.441 ; 161.796,127.583 v3(162.592,126.695) ; 162.327,127.021 v3(162.592,126.695)
QS2-1: QS2.13 U4.9 | length 160.7
  Top Layer w0.254: v3@161.615,126.257 U4.9@161.792,125.33 ; v3@161.615,126.259 161.792,125.207 v3@161.969,126.259 ; v3@161.615,126.285 U4.9@161.644,125.341 ; v3@161.619,126.232 161.777,125.955 ; v3@161.62,126.229 U4.9@161.94,125.341 ; v3@161.624,126.216 161.807,125.955 ; v3@161.666,126.148 cw(c161.363,125.844) 161.792,125.844 cw(c162.221,125.844) v3@161.918,126.148 ; U4.9@161.687,125.434 ccw(c161.435,125.687) 161.792,125.687 ccw(c162.149,125.687) U4.9@161.897,125.434 ; U4.9@161.792,124.58 v3(161.792,126.274) ; v3@161.96,126.216 161.777,125.955 ; v3@161.964,126.229 U4.9@161.644,125.341 ; v3@161.965,126.232 161.807,125.955 ; v3@161.969,126.257 U4.9@161.792,125.33 ; v3@161.969,126.285 U4.9@161.94,125.341 ; U4.9@161.644,125.341 v3(161.792,126.274) ; U4.9@161.644,125.341 v3(161.792,126.274) ; 161.777,125.955 v3(161.792,126.274) ; U4.9@161.792,125.33 v3(161.792,126.274) ; v3(161.792,126.274) 161.807,125.955 ; v3(161.792,126.274) U4.9@161.94,125.341
  Bottom Layer w0.254: 96.455,160.158 ccw(c98.271,161.974) QS2.13@98.271,159.406 ; 96.889,159.725 ccw(c98.271,161.107) QS2.13@98.271,159.152 ; 97.322,159.291 ccw(c98.271,160.24) QS2.13@98.271,158.898 ; QS2.13@97.902,158.458 97.191,159.644 ; QS2.13@97.931,158.429 97.294,159.414 ; QS2.13@97.946,158.416 96.981,159.633 ; QS2.13@98.109,158.61 97.191,159.644 ; QS2.13@98.132,158.592 97.294,159.414 ; QS2.13@98.133,158.591 96.981,159.633 ; QS2.13@98.436,159.146 97.294,159.414 ; QS2.13@98.454,159.139 96.981,159.633 ; QS2.13@98.467,159.403 97.294,159.414 ; QS2.13@98.474,159.129 97.191,159.644 ; QS2.13@98.515,159.388 96.981,159.633 ; QS2.13@98.547,159.375 97.191,159.644 ; QS2.13@98.832,158.13 98.484,158.13 95.253,161.36 95.253,169.46 98.602,172.81 98.602,172.837 101.438,175.673 113.324,175.673 120.015,168.982 120.015,149.801 124.899,144.917 144.561,144.917 159.456,130.021 159.456,129.204 161.671,126.989 ; v3@161.614,126.266 161.671,126.989 ; v3@161.614,126.273 161.7,126.77 ; v3@161.792,126.372 v3(161.792,126.274) ; v3@161.917,126.4 cw(c162.5,126.989) 161.671,126.989 ; v3@161.958,126.336 161.7,126.77 ; v3@161.962,126.324 161.671,126.989 ; 96.981,159.633 QS2.13@98.322,158.848 ; 97.191,159.644 QS2.13@98.322,158.848 ; 97.294,159.414 QS2.13@98.322,158.848 ; 161.671,126.989 v3(161.792,126.274) ; 161.671,126.989 161.671,126.395 v3(161.792,126.274) ; 161.7,126.77 v3(161.792,126.274)
QS2-2: QS2.12 U4.8 | length 145.6
  Top Layer w0.254: v3@160.807,126.707 160.886,125.633 ; v3@160.811,126.672 161.097,125.639 ; v3@160.813,126.662 160.977,126.377 ; v3@160.819,126.643 161.006,126.398 ; U4.8@160.844,125.34 160.992,126.367 ; v3@160.859,126.58 cw(c160.54,126.26) 160.992,126.26 ; U4.8@160.887,125.434 ccw(c160.635,125.687) 160.992,125.687 ccw(c161.349,125.687) U4.8@161.097,125.434 ; U4.8@160.992,124.58 160.992,126.699 v3(160.985,126.705) ; U4.8@160.992,125.33 160.992,126.367 ; 160.992,126.293 cw(c161.398,126.293) v3@161.111,126.58 ; U4.8@161.14,125.34 160.992,126.367 ; v3@161.155,126.653 160.977,126.377 ; v3@161.159,126.666 161.006,126.398 ; v3@161.16,126.675 160.886,125.633 ; v3@161.163,126.709 161.097,125.639 ; v3@160.815,126.655 160.992,126.367 ; v3@160.815,126.655 160.992,126.367 ; v3@160.815,126.655 160.992,126.367 ; 160.886,125.633 v3(160.985,126.705) ; 160.977,126.377 v3(160.985,126.705) ; v3(160.985,126.705) 160.992,125.639 ; v3(160.985,126.705) 160.992,125.639 ; v3(160.985,126.705) 160.992,126.367 ; v3(160.985,126.705) 160.992,126.367 ; v3(160.985,126.705) 161.097,125.639 ; v3(160.985,126.705) 160.992,126.367 ; v3(160.985,126.705) 161.006,126.398 ; 160.992,125.639 160.808,126.689 160.992,125.639 ; 160.992,125.639 161.162,126.692 160.992,125.639 ; 160.992,126.367 v3@161.158,126.662 ; 160.992,126.367 v3@161.158,126.662 ; 160.992,126.367 v3@161.158,126.662
  Bottom Layer w0.254: 95.761,163.113 ccw(c96.112,163.464) QS2.12@96.457,163.107 ; 95.944,162.931 ccw(c96.291,163.278) QS2.12@96.633,162.925 ; 96.126,162.748 ccw(c96.471,163.093) QS2.12@96.81,162.743 ; QS2.12@96.594,162.23 95.761,163.113 ; QS2.12@96.762,162.427 95.761,163.113 ; QS2.12@96.906,162.711 95.761,163.113 ; QS2.12@96.963,163.281 95.761,163.113 ; QS2.12@96.971,163.023 95.761,163.113 ; QS2.12@97.056,161.818 95.761,163.113 ; 160.619,127.159 cw(c160.165,126.705) v3@160.807,126.705 ; v3@160.827,126.625 160.721,127.026 ; v3@160.845,126.597 160.189,127.59 ; v3@161.095,126.845 160.721,127.026 ; v3@161.108,126.834 160.189,127.59 ; 95.761,163.113 95.761,169.25 99.11,172.599 99.11,172.627 101.648,175.165 113.113,175.165 119.507,168.771 119.507,149.591 124.689,144.409 144.35,144.409 158.948,129.811 158.948,128.831 160.985,126.793 v3(160.985,126.705) ; 160.189,127.59 v3(160.985,126.705) ; 160.721,127.026 v3(160.985,126.705)
QS2-3: QS2.11 U4.7 | length 138.9
  Top Layer w0.254: v3@160.015,126.257 U4.7@160.192,125.33 ; v3@160.015,126.259 160.192,125.207 v3@160.369,126.259 ; v3@160.015,126.285 U4.7@160.044,125.341 ; v3@160.019,126.232 160.177,125.955 ; v3@160.02,126.229 U4.7@160.34,125.341 ; v3@160.024,126.216 160.207,125.955 ; v3@160.066,126.148 cw(c159.763,125.844) 160.192,125.844 cw(c160.621,125.844) v3@160.318,126.148 ; U4.7@160.087,125.434 ccw(c159.835,125.687) 160.192,125.687 ccw(c160.549,125.687) U4.7@160.297,125.434 ; U4.7@160.192,124.58 v3(160.192,126.274) ; v3@160.36,126.216 160.177,125.955 ; v3@160.364,126.229 U4.7@160.044,125.341 ; v3@160.365,126.232 160.207,125.955 ; v3@160.369,126.257 U4.7@160.192,125.33 ; v3@160.369,126.285 U4.7@160.34,125.341 ; U4.7@160.044,125.341 v3(160.192,126.274) ; U4.7@160.044,125.341 v3(160.192,126.274) ; 160.177,125.955 v3(160.192,126.274) ; U4.7@160.192,125.33 v3(160.192,126.274) ; v3(160.192,126.274) 160.207,125.955 ; v3(160.192,126.274) U4.7@160.34,125.341
  Bottom Layer w0.254: QS2.11@96.735,166.85 97.137,168.328 ; QS2.11@96.74,166.891 97.198,167.997 ; QS2.11@96.851,167.195 ccw(c96.159,167.887) 97.137,167.887 ; QS2.11@96.988,166.803 97.137,168.328 ; QS2.11@96.988,166.819 97.198,167.997 ; QS2.11@97.056,165.913 97.137,165.994 97.137,169.908 99.618,172.389 99.618,172.417 101.859,174.657 112.903,174.657 118.999,168.561 118.999,149.38 124.479,143.901 144.14,143.901 158.44,129.6 158.44,128.62 160.071,126.989 ; 97.137,167.847 ccw(c98.313,167.847) QS2.11@97.481,167.016 ; 97.137,168.46 ccw(c98.926,168.46) QS2.11@97.661,167.195 ; QS2.11@97.618,166.876 97.198,167.997 ; QS2.11@97.618,166.874 97.137,168.328 ; QS2.11@97.848,166.993 97.198,167.997 ; QS2.11@97.854,166.974 97.137,168.328 ; v3@160.014,126.273 160.1,126.77 ; v3@160.014,126.266 160.071,126.989 ; v3@160.192,126.372 v3(160.192,126.274) ; v3@160.317,126.4 cw(c160.899,126.989) 160.071,126.989 ; v3@160.358,126.336 160.1,126.77 ; v3@160.362,126.325 160.071,126.989 ; 97.137,168.328 97.307,166.805 97.198,167.997 ; 160.071,126.989 v3(160.192,126.274) ; 160.071,126.989 160.071,126.395 v3(160.192,126.274) ; 160.1,126.77 v3(160.192,126.274)